# Altium PCB PCB_1313.PcbDoc (part 2 of 2) (continued)
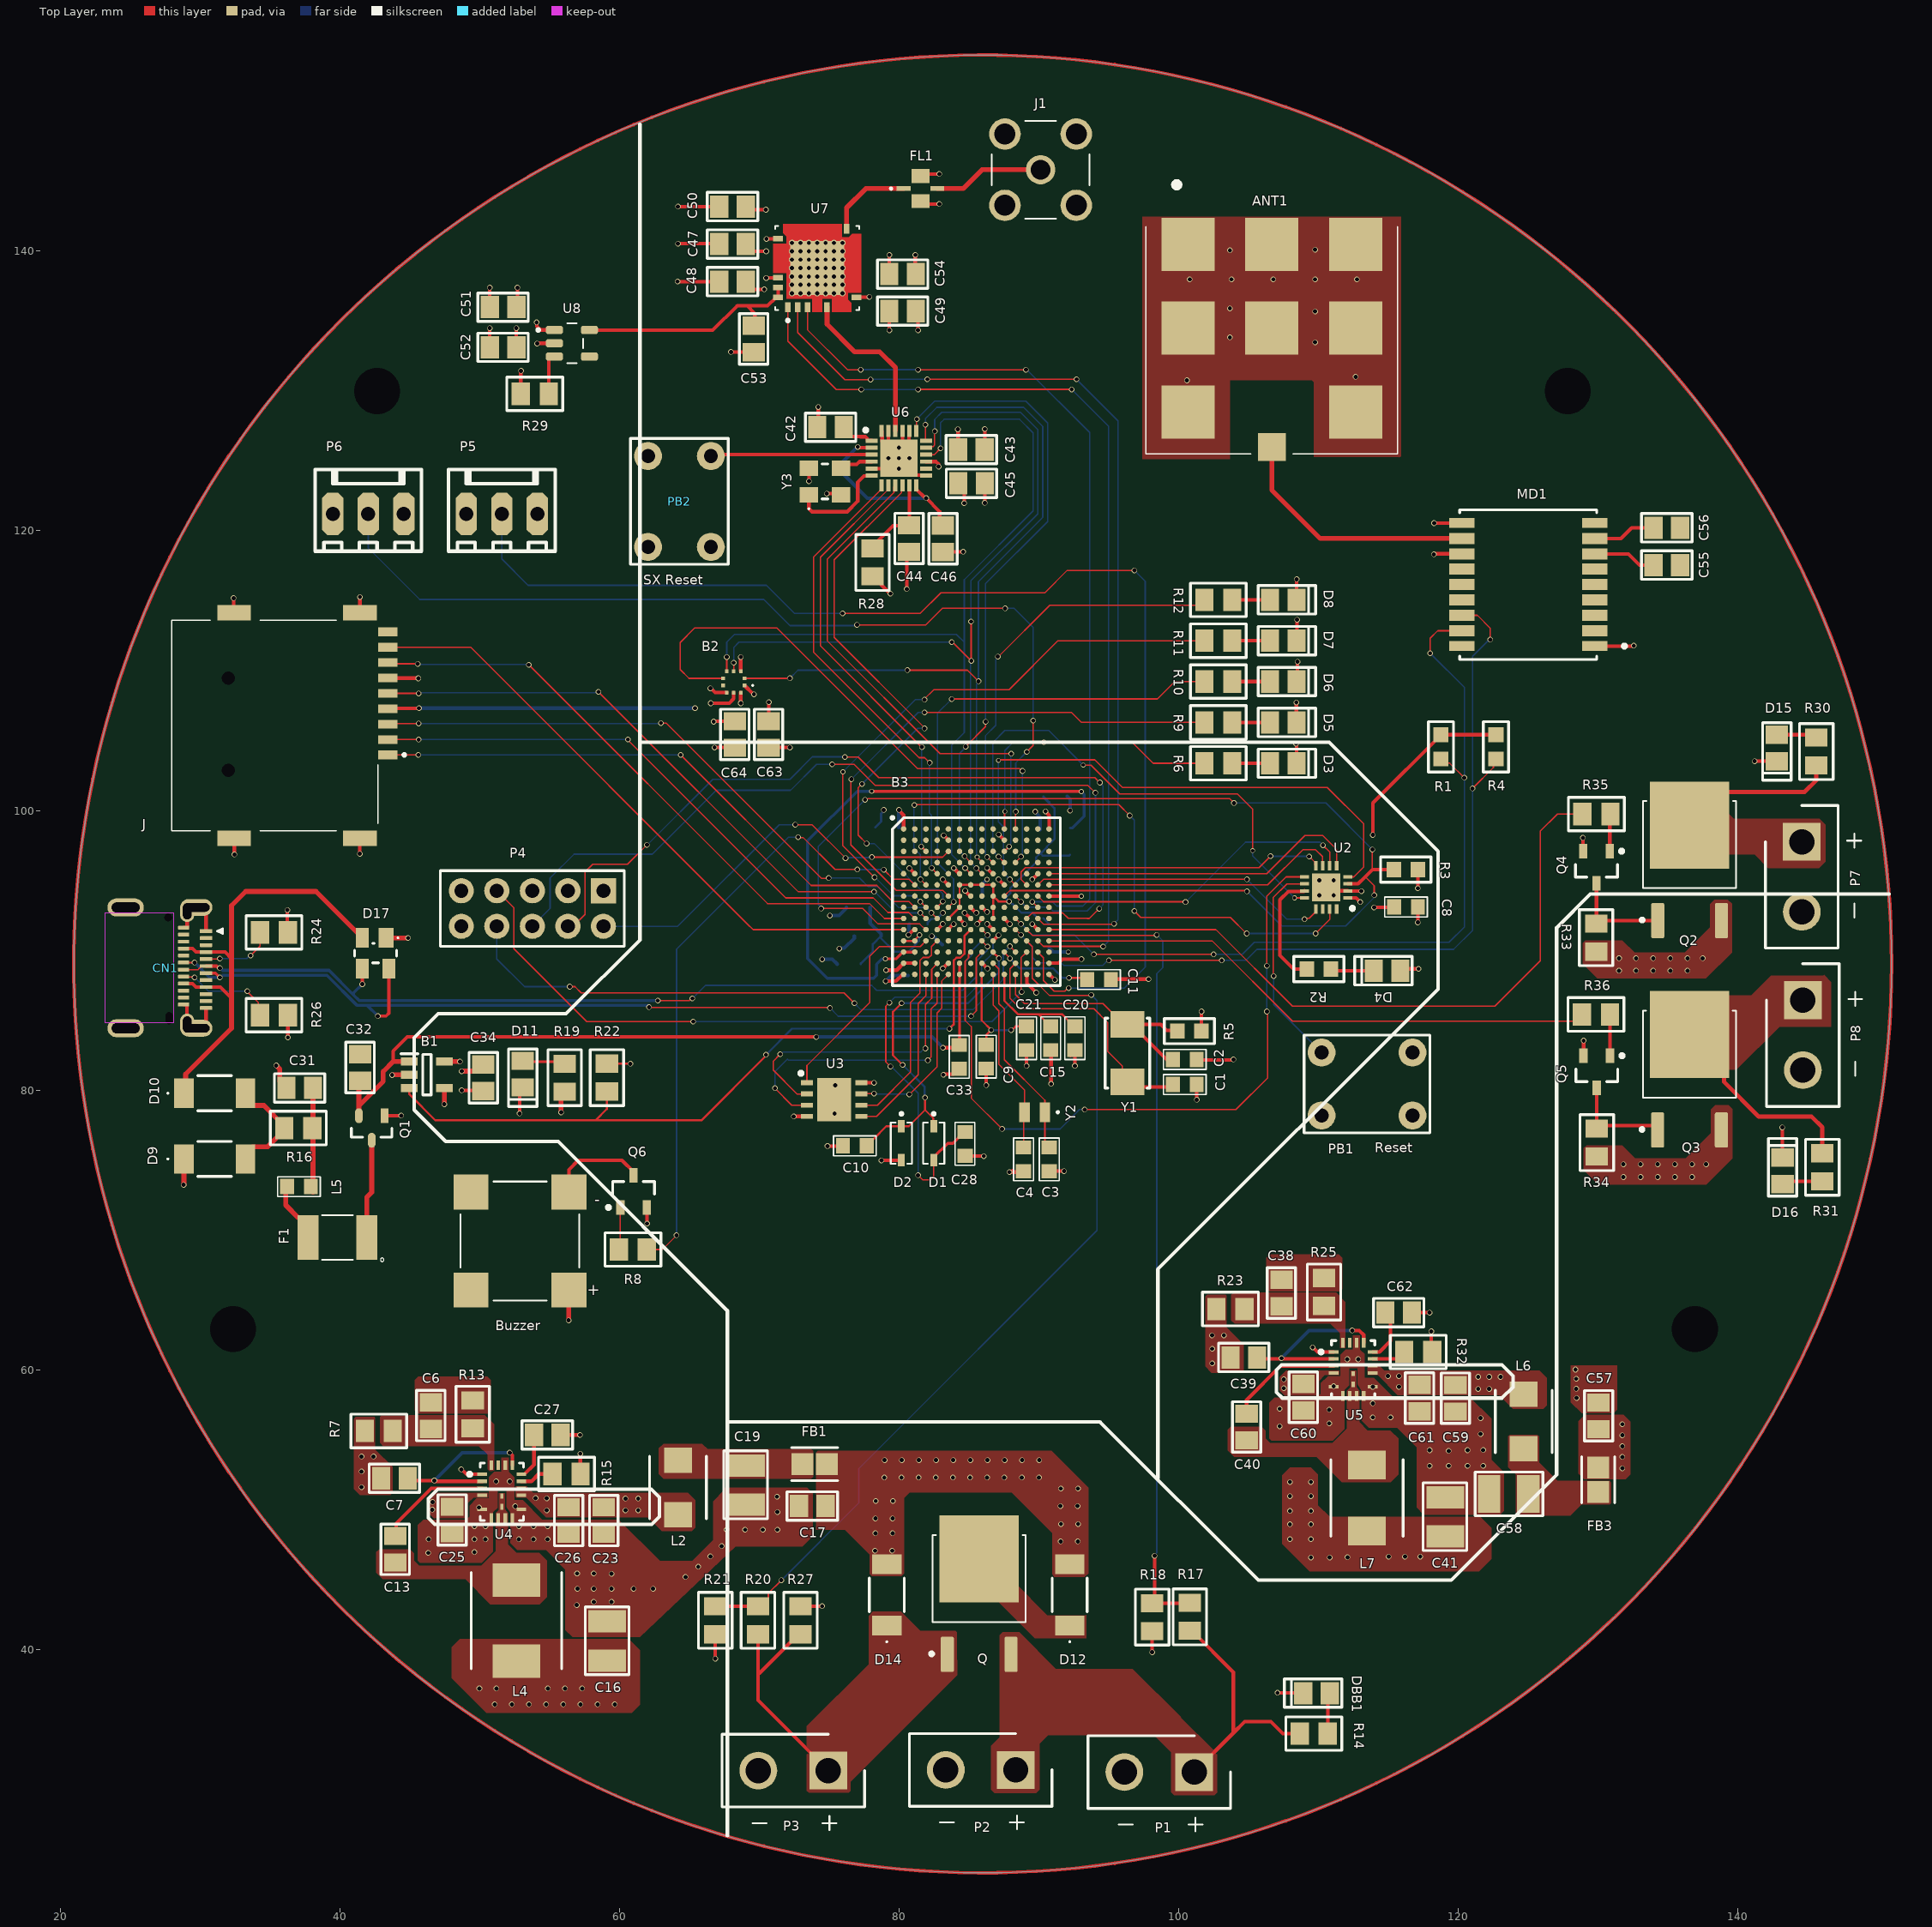
[diagram p0: Top Layer view]
## Nets (pads, with @x,y where several pads share a name; then routed paths per layer and width w, separated by ;. In a path a pad name is that pad's centre, name@x,y a point inside that pad or via, vN(x,y) a via of type N, cw(c..) or ccw(c..) an arc to the next point about the centre after c; other vN are vias at no path point) (continued)
NetB3_K8: B3.K8 C14.1 C28.1 D1.A | length 33.3
  Top Layer w0.1: v1(79.299,86.263) 79.047,86.011 79.047,82.024 v1(79.384,81.687) ; v1(81.356,73.914) 81.686,73.584 82.245,73.584 82.474,73.812 D1.A@82.474,75.006 ; B3.K8@85.925,91.478 v1(86.319,91.084)
  Top Layer w0.2: D1.A@82.474,75.006 82.474,75.206 83.468,76.2 83.846,76.2 84.659,77.013 C28.1@84.709,77.013
  Top Layer w0.254: B3.K8@85.922,91.478 B3.K8@85.925,91.478
  Bottom Layer w0.1: v1(79.299,86.263) 79.675,86.639 84.785,86.639 85.903,87.757 85.903,89.004 86.716,89.817 86.716,90.687 v1(86.319,91.084) 85.222,89.987 85.222,89.675 84.772,89.225 C14.1@84.722,89.225 ; v1(79.384,81.687) 79.442,81.687 81.356,79.773 v1(81.356,73.914)
NetB3_L1: B3.L1 B3.L2 C18.1 C24.1 C29.1 L3.1 | length 10.3
  Top Layer w0.15: B3.L1@80.322,90.678 B3.L2@81.065,90.678 ; B3.L2@81.065,90.692 81.065,90.7 81.455,91.09 v1(81.455,91.098)
  Bottom Layer w0.15: C29.1@77.267,89.016 77.267,89.066 78.124,89.923 78.124,90.446 78.699,91.021 78.699,90.871 79.665,89.906 80.698,89.906 81.123,90.331 81.123,90.381 81.416,90.673 81.416,91.059 v1(81.455,91.098)
  Bottom Layer w0.25: C18.1@77.929,93.064 77.929,91.942 78.699,91.171 L3.1@78.699,91.021
NetB3_M10: B3.M10 C11.1 | length 6.8
  Top Layer w0.1: B3.M10@87.535,89.878 87.535,89.837 87.925,89.446 v1(87.925,89.418)
  Top Layer w0.15: B3.M10@87.522,89.878 B3.M10@87.535,89.878 ; v1@92.152,88.022 93.334,88.022 C11.1@93.447,87.909
  Bottom Layer w0.15: v1(87.925,89.418) 88.647,88.696 91.034,88.696 91.701,88.03 v1(92.144,88.03)
NetB3_P8: B3.P8 C9.1 C21.1 | length 8.1
  Top Layer w0.15: B3.P8@85.922,88.278 85.9,88.256 85.9,84.991 v1(86.589,84.303) 86.233,83.947 C9.1@86.233,83.248 ; v1(88.011,84.303) 88.078,84.303 88.334,84.559 C21.1@89.109,84.559
  Bottom Layer w0.15: v1(86.589,84.303) v1(88.011,84.303)
NetB3_P10: B3.P10 C15.1 C20.1 | length 9.4
  Top Layer w0.15: B3.P10@87.522,88.278 87.522,86.406 88.492,85.436 89.963,85.436 ; C15.1@90.856,84.187 90.856,84.543 90.806,84.543 90.381,84.968 90.381,85.018 89.963,85.436 ; C20.1@92.572,84.504 92.522,84.504 92.097,84.929 92.097,84.979 91.64,85.436 89.963,85.436
NetBuzzer_N: Buzzer.N Q6.3 | length 7.1
  Top Layer w0.25: Buzzer.N@56.383,72.715 56.383,74.315 57.048,74.981 60.176,74.981 61.011,74.146 Q6.3@61.011,73.921
NetC6_1: C6.1 R7.2 R13.2 U4.20
NetC7_1: C7.1 U4.2 U4.17 | length 12.6
  Top Layer w0.254: C7.1@44.856,52.248 45.019,52.085 v1(46.761,52.085) ; v1@46.761,52.033 U4.2@50.187,52.033 ; v1(52.146,54.077) 52.146,54.075 52.337,53.883 U4.17@52.337,53.183 U4.17@52.339,53.185
  Bottom Layer w0.254: v1(46.761,52.085) 48.753,54.077 v1(52.146,54.077)
NetC13_1: C13.1 U4.3 | length 8.1
  Top Layer w0.254: C13.1@43.967,48.118 44.022,48.172 44.022,49 46.554,51.533 U4.3@50.187,51.533
NetC13_2: C13.2 L4.1 U4.8 U4.9 U4.21 U4.22
NetC19_1: C19.1 FB1.2 L2.1
NetC23_1: C23.1 C25.1 C26.1 L2.2 U4.4 U4.13 U4.14
  other v1: 54.801,49.962 60.427,49.962 61.341,49.962 46.616,49.997 46.634,50.546 60.427,50.8 61.341,50.8 54,50.825 54.801,50.818
NetC27_1: C27.1 U4.16 | length 3.1
  Top Layer w0.254: U4.16@53.21,52.535 53.889,53.213 C27.1@53.889,55.347
NetC31_1: C31.1 L5.1 R16.1 | length 7.5
  Top Layer w0.35: L5.1@38.083,72.695 38.083,77.243 R16.1@38.033,77.292 38.083,77.342 C31.1@38.083,80.162
NetC38_1: C38.1 R23.2 R25.2 U5.20
NetC39_1: C39.1 U5.2 U5.17 | length 12.8
  Top Layer w0.254: C39.1@105.697,60.784 107.262,60.784 107.314,60.836 v1(107.34,60.836) ; v1@107.34,60.784 U5.2@111.073,60.784 ; v1(112.406,62.817) 112.911,62.817 113.221,62.508 113.221,61.936 U5.17@113.223,61.934
  Bottom Layer w0.254: v1(107.34,60.836) 109.322,62.817 v1(112.406,62.817)
NetC40_1: C40.1 U5.3 | length 8.2
  Top Layer w0.254: C40.1@104.851,56.867 104.851,57.847 107.288,60.284 U5.3@111.073,60.284
NetC40_2: C40.2 L7.1 U5.8 U5.9 U5.21 U5.22
NetC42_1: C42.1 U6.1 | length 2.5
  Top Layer w0.254: C42.1@76.048,127.406 76.048,127.256 76.571,126.733 76.718,126.733 76.719,126.732 77.248,126.732 77.25,126.73 77.588,126.73 77.737,126.581 77.737,126.47 77.76,126.447 U6.1@78.035,126.447
NetC44_1: C44.1 R28.2 U6.11 | length 6.1
  Top Layer w0.254: R28.2@77.978,118.932 78.128,118.932 79.562,120.366 80.503,120.366 C44.1@80.518,120.381 ; C44.1@80.551,120.348 80.735,120.531 U6.11@80.735,123.247
NetC46_1: C46.1 U6.2 U6.12 | length 13.8
  Top Layer w0.254: v1(77.038,125.999) 77.064,125.999 77.116,125.947 U6.2@78.035,125.947 ; U6.12@81.235,123.247 81.258,123.224 81.258,122.949 81.853,122.353 81.919,122.353 82.893,121.379 82.893,120.531 C46.1@83.043,120.381
  Bottom Layer w0.254: v1(77.038,125.999) 75.844,124.805 75.844,124.231 77.741,122.335 v1(81.937,122.335)
NetC53_1: C53.1 U7.27 U7.28 U8.5 | length 16.9
  Top Layer w0.254: U8.5@57.857,134.361 57.882,134.336 66.67,134.336 68.428,136.093 69.139,136.093 ; C53.1@69.596,134.671 69.679,134.754 69.679,135.553 69.139,136.093 ; U7.27@71.343,137.389 U7.28@71.343,136.689 71.193,136.689 70.597,136.093 69.139,136.093
NetC58_1: C58.1 FB3.2 L6.1
NetC59_1: C59.1 C60.1 C61.1 L6.2 U5.4 U5.13 U5.14
  other v1: 121.412,58.635 122.199,58.635 107.507,58.683 115.748,58.784 107.507,59.321 121.412,59.498 122.199,59.498 123.012,59.498 114.96,59.549 115.748,59.549
NetC62_1: C62.1 U5.16 | length 3.8
  Top Layer w0.254: U5.16@113.873,61.284 114.358,61.284 115.142,62.067 115.142,63.726 C62.1@114.772,64.096
NetCN1_A5: CN1.A5 R24.1 | length 5.5
  Top Layer w0.1: CN1.A5@30.437,89.373 30.454,89.39 31.402,89.39 v1(31.42,89.408) ; v1(33.62,89.623) 34.293,90.296 R24.1@34.293,91.536
  Bottom Layer w0.1: v1(31.42,89.408) 33.34,89.408 33.554,89.623 v1(33.62,89.623)
NetCN1_B5: CN1.B5 R26.2 | length 7.3
  Top Layer w0.1: CN1.B5@28.837,88.123 28.867,88.092 29.586,88.092 v1(29.616,88.062) ; v1(33.382,87.077) 33.382,87.058 34.184,86.256 34.184,85.596 R26.2@34.544,85.235
  Bottom Layer w0.1: v1(29.616,88.062) 30.602,87.077 v1(33.382,87.077)
NetD3_A: D3.A R6.2 | length 2.7
  Top Layer w0.254: R6.2@103.829,103.378 D3.A@106.528,103.378
NetD4_K: D4.K R2.1 | length 3
  Top Layer w0.254: R2.1@111.017,88.659 111.131,88.544 D4.K@113.937,88.544
NetD5_A: D5.A R9.2 | length 2.7
  Top Layer w0.254: R9.2@103.829,106.299 D5.A@106.528,106.299
NetD6_A: D6.A R10.2 | length 2.7
  Top Layer w0.254: R10.2@103.829,109.22 D6.A@106.528,109.22
NetD7_A: D7.A R11.2 | length 2.7
  Top Layer w0.254: R11.2@103.829,112.141 D7.A@106.528,112.141
NetD8_A: D8.A R12.2 | length 2.7
  Top Layer w0.254: R12.2@103.829,115.062 D8.A@106.528,115.062
NetD9_2: D9.2 D10.2 R16.2 | length 8
  Top Layer w0.35: D9.2@33.254,75.082 33.254,75.432 33.779,75.957 34.848,75.957 36.033,77.142 R16.2@36.033,77.292 36.033,77.442 34.569,78.906 33.856,78.906 33.331,79.431 D10.2@33.331,79.781
NetD11_A: D11.A R19.1 | length 3
  Top Layer w0.2: D11.A@52.883,82.037 55.695,82.037 R19.1@55.843,81.889
NetD12_1: D12.1 Q.2
NetD15_A: D15.A R30.2 | length 2.9
  Top Layer w0.254: D15.A@142.773,105.42 145.389,105.42 R30.2@145.593,105.216
NetD16_A: D16.A R31.2 | length 3
  Top Layer w0.254: D16.A@143.18,73.285 143.384,73.489 R31.2@146.025,73.489 R31.2@146.102,73.412
NetDBB1_A: DBB1.A R14.2 | length 3
  Top Layer w0.254: R14.2@110.652,33.985 110.652,36.728 DBB1.A@110.805,36.881
NetF1_1: F1.1 Q1.3 | length 7.1
  Top Layer w0.35: F1.1@41.927,69.469 41.927,72.339 42.283,72.695 Q1.3@42.283,76.415
NetF1_2: F1.2 L5.2 | length 4.4
  Top Layer w0.35: L5.2@36.134,73.101 36.134,71.776 37.016,70.894 37.152,70.894 37.727,70.319 F1.2@37.727,69.469
NetFL1_4: FL1.4 U7.15 | length 6.2
  Top Layer w0.349: U7.15@76.243,141.589 76.243,143.095 77.622,144.475 FL1.4@80.328,144.475
NetP7_P: P7.P Q2.2 R30.1 | length 11.7
  Top Layer w0.3: Q2.2@136.531,98.946 138.906,101.321 144.755,101.321 145.593,102.159 R30.1@145.593,103.216 ; P7.P@144.554,97.755 P7.P@144.755,97.955
NetP8_P: P8.P Q3.2 R31.1 | length 15.5
  Top Layer w0.3: Q3.2@136.525,83.972 139,81.498 139,80.583 141.478,78.105 145.263,78.105 146.025,77.343 R31.1@146.025,75.489 146.175,75.489 R31.1@146.675,75.989
NetPB1_1: PB1.1 U2.10 | length 15.2
  Top Layer w0.1: v1(106.782,88.163) 106.756,88.189 106.756,93.777 107.73,94.751 U2.10@108.991,94.751
  Bottom Layer w0.1: v1(106.782,88.163) 106.782,86.122 PB1.1@110.212,82.692
NetQ2_1: Q2.1 Q4.3 R33.1 | length 7.4
  Top Layer w0.254: R33.1@129.845,91.907 R33.1@129.87,91.932 ; Q4.3@129.87,94.786 R33.1@129.87,91.932 ; Q2.1@134.251,92.126 130.064,92.126 R33.1@129.87,91.932
NetQ3_1: Q3.1 Q5.3 R34.1 | length 7.6
  Top Layer w0.254: Q5.3@129.896,80.162 R34.1@129.896,77.251 129.87,77.225 130.115,77.47 133.927,77.47 Q3.1@134.245,77.152
NetQ4_1: Q4.1 R35.2 | length 2.7
  Top Layer w0.254: Q4.1@130.82,97.086 130.82,99.705 R35.2@130.861,99.746
NetQ5_1: Q5.1 R36.2 | length 3
  Top Layer w0.254: R36.2@130.835,85.42 130.846,85.41 Q5.1@130.846,82.462
NetQ6_1: Q6.1 R8.2 | length 3.1
  Top Layer w0.1: R8.2@59.96,68.605 60.061,68.706 Q6.1@60.061,71.621
NetR2_2: R2.2 U2.11 | length 8.3
  Top Layer w0.254: U2.11@108.991,94.251 108.96,94.22 107.847,94.22 107.239,93.612 107.239,89.636 108.217,88.659 R2.2@109.152,88.659
NetR15_2: R15.2 U4.15 | length 2.4
  Top Layer w0.254: U4.15@52.987,52.033 53.709,52.033 54.229,52.553 R15.2@55.21,52.553
NetR29_1: R29.1 U8.3 | length 3
  Top Layer w0.254: R29.1@54.94,129.794 54.94,132.295 55.107,132.461 U8.3@55.347,132.461
NetR32_2: R32.2 U5.15 | length 2.5
  Top Layer w0.254: U5.15@113.873,60.784 115.636,60.784 R32.2@116.129,61.276
NetU6_4: U6.4 Y3.3 | length 2.4
  Top Layer w0.254: Y3.3@75.844,124.48 76.103,124.739 76.962,124.739 77.169,124.947 U6.4@78.035,124.947
NetU6_6: U6.6 Y3.1 | length 7.4
  Top Layer w0.254: Y3.1@73.544,122.58 73.544,121.601 73.784,121.361 76.287,121.361 77.038,122.112 77.038,123.469 77.492,123.924 78.012,123.924 U6.6@78.035,123.947
PMIC_REQ: B1.3 B3.K7 R22.2 | length 52.9
  Top Layer w0.15: B1.3@44.978,80.152 44.978,79.705 46.841,77.842 58.293,77.842 ; R22.2@59.106,79.899 59.106,78.655 58.293,77.842 ; v1(70.481,82.537) 70.481,82.47 65.853,77.842 58.293,77.842 ; v1(83.597,84.396) 83.597,84.398 83.896,84.697 83.896,89.269 84.097,89.47 84.383,89.47 84.663,89.75 84.663,91.019 B3.K7@85.122,91.478
  Bottom Layer w0.15: v1(70.481,82.537) 72.34,84.396 v1(83.597,84.396)
RF_OUT: U6.22 U7.5 | length 11.9
  Top Layer w0.349: U7.5@74.843,135.989 74.843,134.772 76.824,132.791 78.613,132.791 79.735,131.67 U6.22@79.735,127.147
RTC_XTAL0: B3.P9 C4.1 Y2.2 | length 13.2
  Top Layer w0.1: B3.P9@86.722,88.278 86.722,86.083 87.134,85.671 87.134,81.852 88.975,80.011 Y2.2@88.975,78.422 ; C4.1@88.9,75.907 Y2.2@88.9,78.347
RTC_XTAL1: B3.N9 C3.1 Y2.1 | length 14.4
  Top Layer w0.1: B3.N9@86.722,89.078 87.134,88.666 87.134,86.188 87.521,85.802 87.521,82.181 90.425,79.277 Y2.1@90.425,78.422 C3.1@90.425,76.186
RX1: B3.G11 P4.6 | length 61.4
  Top Layer w0.1: v1@75.235,103.302 76.784,103.302 78.28,101.806 93.497,101.806 v1(94.04,101.263) ; B3.G11@88.322,93.878 88.322,93.869 88.71,93.481 v1(88.71,93.472)
  Bottom Layer w0.1: P4.6@53.772,91.719 55.042,92.989 55.042,95.166 56.751,96.876 62.357,96.876 66.929,101.448 72.238,101.448 74.092,103.302 v1(75.209,103.302) ; v1(88.71,93.472) 89.1,93.082 90.741,93.082 91.011,92.812 93.436,92.812 94.04,93.415 v1(94.04,101.263)
SCK: B2.2 B3.D8 U6.18 | length 62.2
  Top Layer w0.1: B2.2@68.951,109.459 68.959,109.452 72.18,109.452 v1(72.188,109.459) ; v1(80.594,110.033) 84.887,110.033 v1(85.674,109.245) ; v1(81.876,127.588) 81.876,126.547 81.901,126.522 U6.18@82.285,126.522 ; v2(85.582,96.675) 85.582,96.646 85.925,96.303 B3.D8@85.925,96.278
  Top Layer w0.15: B2.2@68.937,109.445 B2.2@68.951,109.459 ; U6.18@81.935,126.447 82.21,126.447 U6.18@82.285,126.522 ; B3.D8@85.922,96.278 B3.D8@85.925,96.278
  Bottom Layer w0.1: v1(72.188,109.459) 72.761,110.033 v1(80.594,110.033) ; v1(81.876,127.588) 81.876,128.011 82.694,128.829 88.9,128.829 90.272,127.457 90.272,120.957 85.674,116.359 85.674,109.178 85.533,109.037 85.533,96.858 85.535,96.857 85.535,96.722 v2(85.582,96.675)
SCL: B3.J11 MD1.17 R1.1 | length 60.4
  Top Layer w0.1: B3.J11@88.322,92.272 v1(88.71,91.884) ; v1(93.931,89.711) 102.487,89.711 v1(102.489,89.713) ; v1(117.975,111.245) 117.975,112.313 118.516,112.854 MD1.17@120.243,112.854 ; R1.1@118.745,103.556 R1.1@118.76,103.556 ; R1.1@118.745,103.683 119.046,103.382 119.376,103.382 v1(120.421,102.337)
  Top Layer w0.15: B3.J11@88.322,92.272 B3.J11@88.322,92.278
  Bottom Layer w0.1: v1(88.71,91.884) 88.747,91.884 89.547,91.084 92.553,91.084 93.927,89.711 v1(93.931,89.711) ; v1(102.489,89.713) 104.546,89.713 105.41,90.576 119.329,90.576 120.421,91.669 v1(120.421,102.337) 120.421,108.799 v1(117.975,111.245)
SDA: B3.K11 MD1.16 R4.1 | length 62.6
  Top Layer w0.1: B3.K11@88.341,91.478 v1(88.71,91.109) ; v1(95.001,89.279) 103.071,89.279 v1(103.073,89.281) ; MD1.16@120.243,113.954 121.358,113.954 122.276,113.036 v1(122.276,112.217) ; v1(121.006,101.575) 122.497,103.066 122.497,103.498 R4.1@122.682,103.683
  Top Layer w0.15: B3.K11@88.322,91.478 B3.K11@88.341,91.478
  Bottom Layer w0.1: v1(88.71,91.109) 88.71,91.084 89.523,90.272 89.523,89.511 89.93,89.103 91.592,89.103 91.775,88.92 94.561,88.92 94.92,89.279 v1(95.001,89.279) ; v1(103.073,89.281) 104.8,89.281 105.588,90.068 119.652,90.068 121.005,91.421 v1(121.006,101.575) 121.005,111.023 122.199,112.217 v1(122.276,112.217)
SNVS: B3.M9 C10.2 D1.C D2.C | length 25
  Top Layer w0.15: C10.2@77.685,76.022 77.685,76.072 78.11,76.497 78.16,76.497 79.082,77.419 D2.C@80.162,77.419 80.688,77.419 81.857,78.589 ; v1(80.182,86.224) 79.553,85.595 79.553,82.501 v1(80.248,81.806) ; v1(81.857,79.468) 81.857,78.589 ; D1.C@82.474,77.419 82.439,77.454 82.439,78.006 81.857,78.589 ; B3.M9@86.722,89.878 86.722,89.86 87.134,89.448 v1(87.134,89.43)
  Bottom Layer w0.15: v1(80.182,86.224) 84.928,86.224 87.134,88.43 v1(87.134,89.43) ; v1(80.248,81.806) 80.264,81.806 81.814,80.256 81.814,79.511 v1(81.857,79.468)
SOC: B3.F6 B3.F7 B3.F8 B3.F9 B3.G6 B3.G9 B3.H6 B3.H9 B3.J5 B3.J9 C5.1 C12.1 C22.1 C30.1 L1.2 | length 24.6
  Top Layer w0.15: B3.J5@83.522,92.278 B3.H6@84.322,93.078 B3.F6@84.322,94.678 B3.F9@86.722,94.678 B3.G9@86.722,93.878 ; B3.J9@86.722,92.278 B3.J9@86.722,92.285 ; B3.J9@86.722,92.318 B3.J9@86.722,92.285 ; v1@87.862,93.458 v1(87.862,93.497) 87.103,93.497 B3.G9@86.722,93.878 ; B3.J9@86.722,92.285 B3.H9@86.722,93.078 B3.G9@86.722,93.878
  Bottom Layer w0.15: C5.1@87.604,93.777 87.604,93.756 v1(87.862,93.497) ; C5.1@87.654,93.777 87.954,94.077 87.954,94.464 89.793,96.303 89.793,96.644 C22.1@90.089,96.94 ; C5.1@87.873,93.508 88.079,93.302 88.129,93.302 88.751,92.68 89.547,92.68 89.93,92.296 ; C30.1@90.304,92.296 C30.1@90.519,92.081 ; C30.1@90.322,92.278 C30.1@90.519,92.081 ; C30.1@90.729,91.871 C30.1@90.519,92.081 ; C12.1@90.736,100.591 C12.1@90.311,101.016 90.311,100.966 91.11,100.167 91.11,97.961 90.564,97.415 90.564,97.365 90.139,96.94 C22.1@90.089,96.94 ; L1.2@92.227,96.84 92.161,96.773 90.256,96.773 C22.1@90.089,96.94
SX_RESET: PB2.1 U6.3 | length 11.5
  Top Layer w0.254: PB2.1@66.537,125.348 66.636,125.447 U6.3@78.035,125.447
TX1: B3.M11 P4.8 | length 44.1
  Top Layer w0.1: v1(56.439,87.401) 56.82,87.401 57.256,86.965 76.058,86.965 v1(76.799,86.224) ; v1(87.925,90.29) 87.925,90.283 88.322,89.886 B3.M11@88.322,89.878
  Bottom Layer w0.1: P4.8@51.232,91.719 51.232,89.383 53.213,87.401 v1(56.439,87.401) ; v1(76.799,86.224) 77.273,85.75 85.274,85.75 87.452,87.929 87.452,89.817 v1(87.925,90.29)
VUSB: CN1.A4 CN1.A9 CN1.B4 CN1.B9 D10.1 D17.2 | length 33.5
  Top Layer w0.25: CN1.B4@28.837,87.623 28.847,87.613 29.471,87.613 29.711,87.373 CN1.A9@30.437,87.373 31.449,87.373 32.258,86.563 ; CN1.B9@28.837,90.123 29.471,90.123 29.721,89.873 CN1.A4@30.437,89.873 31.793,89.873 32.258,89.408
  Top Layer w0.35: D10.1@28.931,79.781 28.98,79.831 28.98,81.151 32.258,84.43 32.258,86.373 32.258,86.563 32.258,89.408 32.258,93.193 33.274,94.209 38.298,94.209 D17.2@41.61,90.897
XTAL0: B3.N11 C1.1 Y1.2 | length 18.6
  Top Layer w0.1: B3.N11@88.322,89.078 87.922,88.678 87.922,86.578 88.681,85.819 93.936,85.819 94.907,84.848 94.907,82.779 95.949,81.737 Y1.2@95.949,80.975
  Top Layer w0.15: Y1.2@95.949,80.975 Y1.2@96.33,80.594
  Top Layer w0.25: Y1.2@96.33,80.594 96.685,80.239 C1.1@99.582,80.239
XTAL1: B3.P11 C2.1 R5.1 Y1.1 | length 18.2
  Top Layer w0.1: B3.P11@88.322,88.278 88.322,86.836 88.97,86.188 94.585,86.188 Y1.1@96.08,84.694
  Top Layer w0.15: Y1.1@95.991,84.261 Y1.1@96.241,84.261 ; Y1.1@96.08,84.694 Y1.1@96.33,84.694
  Top Layer w0.25: C2.1@99.151,82.154 97.437,83.869 97.155,83.869 Y1.1@96.33,84.694 98.719,84.694 99.139,84.274 99.854,84.274 R5.1@99.892,84.236
pads on no net: B2.7 B3.A2 B3.A3 B3.A4 B3.A5 B3.A6 B3.A7 B3.A8 B3.A9 B3.A12 B3.A13 B3.B1 B3.B2 B3.B3 B3.B4 B3.B6 B3.B7 B3.B8 B3.B9 B3.B11 B3.B12 B3.B13 B3.B14 B3.C1 B3.C2 B3.C4 B3.C6 B3.C7 B3.C8 B3.C9 B3.C11 B3.C12 B3.C13 B3.C14 B3.D1 B3.D2 B3.D3 B3.D4 B3.D5 B3.D6 B3.D12 B3.D13 B3.D14 B3.E1 B3.E3 B3.E5 B3.E10 B3.E11 B3.E12 B3.F1 B3.F4 B3.G1 B3.G2 B3.G3 B3.G4 B3.G8 B3.G12 B3.H1 B3.H10 B3.H11 B3.H12 B3.H14 B3.J14 B3.K6 B3.K10 B3.L5 B3.L6 B3.L7 B3.L10 B3.L11 B3.M3 B3.M4 B3.M5 B3.M6 B3.M14 B3.N3 B3.N7 B3.N10 B3.N12 B3.N13 B3.P2 B3.P7 B3.P13 Buzzer.1 Buzzer.2 CN1.A2 CN1.A3 CN1.A8 CN1.A10 CN1.A11 CN1.B2 CN1.B3 CN1.B8 CN1.B10 CN1.B11 CN1.H1 CN1.H2 J.9 J.14 J.15 MD1.2 MD1.3 MD1.4 MD1.5 MD1.6 MD1.9 MD1.13 MD1.14 MD1.15 MD1.18 P4.3 P4.5 P4.10 U2.14 U2.16 U4.19 U5.19 U6.14 U7.29 U7.30 U7.31 U7.32 U7.33 U7.34 U7.35 U7.36 U7.37 U7.38 U7.39 U7.40 U7.41 U7.42 U7.43 U7.44 U7.45 U7.46 U7.47 U7.48 U7.49 U7.50 U7.51 U7.52 U7.53 U7.54 U7.55 U7.56 U7.57 U7.58 U7.59 U7.60 U7.61 U7.62 U7.63 U7.64 U7.65 U7.66 U7.67 U7.68 U7.69 U7.70 U7.71 U7.72 U7.73 U7.74 U7.75 U7.76 U7.77 U8.4
copper on no net: | length 408.4
  Top Layer w0.254: 150.979,89.027 ccw(c85.979,89.027) 150.979,89.027

## Polygon pours and split planes (outlines as drawn)
NetP8_P on Top Layer "NONET_L-01_P-001" (solid, pour order 76): 134.62,86.436 134.62,81.686 134.849,81.458 139.878,81.458 142.951,84.531 146.66,84.531 146.66,87.732 146.152,88.24 146.101,88.189 142.367,88.189 140.945,86.766 134.874,86.766
NetP7_P on Top Layer "Top Layer-NetP8_P" (solid, pour order 95): 134.772,101.168 136.465,96.85 141.173,96.85 142.138,95.885 145.796,95.885 146.253,96.342 146.253,98.984 145.821,99.416 145.136,99.416 144.78,99.416 144.348,99.416 139.675,99.416 137.922,101.168
GND on Top Layer "NONET_L-01_P-001" (solid, pour order 96): 97.587,142.443 97.561,142.443 115.9,142.443 115.9,125.146 115.773,125.273 109.677,125.273 109.677,130.607 109.525,130.759 103.657,130.759 103.657,125.146 103.632,125.12 97.384,125.12 97.409,125.146 97.409,142.443 97.612,142.443
NetC38_1 on Top Layer "NONET_L-01_P-001" (solid, pour order 61): 103.861,65.467 103.911,65.518 111.252,65.518 111.912,64.858 111.912,61.56 111.527,61.56 111.527,62.601 110.82,63.308 103.988,63.308 103.759,63.537 103.759,65.366 103.911,65.518 105.842,65.518
GND on Top Layer "Top Layer-GND" (solid, pour order 69): 121.082,49.643 122.961,49.643 123.241,49.923 123.241,52.691 122.352,53.58 122.352,56.501 120.828,58.025 115.367,58.025 113.97,59.422 113.275,59.422 113.285,60.275 113.275,61.133 112.954,61.454 112.954,62.47 112.446,62.47 112.446,61.454 111.938,61.454 111.557,61.073 111.557,59.549 110.668,59.549 110.16,59.041 110.16,58.279 109.906,58.025 106.858,58.025 106.477,57.644 106.477,55.104 106.629,54.952 111.023,54.952 111.836,55.765 111.836,58.559 112.166,58.889 112.166,60.133 112.801,60.133 112.801,58.952 113.081,58.533 113.081,56.374 113.589,55.866 115.621,55.866 117.018,54.469 117.018,50.151 117.526,49.643
GND on Top Layer "gggggg" (solid, pour order 18): 68.301,47.371 73.076,47.371 73.812,48.108 73.812,51.206 73.431,51.587 73.406,51.562 67.488,51.562 67.488,51.384 66.7,50.597 66.7,47.828 65.202,46.33 62.89,46.33 59.944,49.276 54.483,49.276 53.086,50.673 52.47,50.673 52.47,52.305 52.07,52.705 52.07,53.721 51.562,53.721 51.562,52.705 51.054,52.705 50.673,52.324 50.673,50.8 49.784,50.8 49.276,50.292 49.276,49.53 49.022,49.276 45.974,49.276 45.593,48.895 45.593,46.355 45.745,46.203 50.14,46.203 50.952,47.015 50.952,49.809 51.283,50.14 51.283,51.384 51.918,51.384 51.918,50.203 52.197,49.784 52.197,47.625 52.705,47.117 54.737,47.117 56.134,45.72 56.134,41.402 56.642,40.894 61.468,40.894
+3V3 on Top Layer "Top Layer-No Net" (solid, pour order 90): 110.007,45.605 121.463,45.605 122.352,46.494 122.352,48.703 121.564,49.491 110.795,49.491 109.957,50.329 109.957,52.513 109.449,53.021 107.95,53.021 107.391,52.463 107.391,47.56 109.347,45.605
+9V6 on Top Layer "NONET_L-01_P-001" (solid, pour order 80): 129.159,76.048 131.724,76.048 132.639,75.133 136.246,75.133 138.049,76.937 138.049,78.613 138.354,78.918 139.319,78.918 139.598,78.638 139.598,75.133 137.719,73.254 129.997,73.254 128.93,74.32 128.956,74.346 128.956,75.844
+9V6U on Top Layer "Top Layer-+9V6U" (solid, pour order 85): 73.406,29.896 73.533,29.769 76.403,29.769 76.53,29.896 76.505,29.921 76.505,30.531 84.15,38.176 84.15,39.243 84.125,39.243 84.125,41.224 84.023,41.326 81.509,41.326 80.137,42.697 78.105,42.697 77.826,42.418 77.826,38.938 73.406,34.519
+9V6S on Top Layer "Top Layer-+9V6S" (solid, pour order 83): 86.589,29.972 86.817,29.743 89.789,29.743 90.043,29.997 90.043,33.274 90.653,33.884 98.222,33.884 99.466,32.639 99.466,29.794 99.67,29.591 102.565,29.591 102.768,29.794 102.743,29.82 102.743,32.664 102.616,32.664 100.139,35.141 100.152,35.154 96.698,38.608 91.186,38.608 91.186,38.633 88.595,41.224 87.401,41.224 87.198,41.021 87.198,33.731 86.589,33.122
+9V6 on Top Layer "NONET_L-01_P-001" (solid, pour order 79): 129.083,90.703 131.724,90.703 132.588,89.84 136.195,89.84 137.998,91.643 137.998,93.32 138.303,93.624 139.268,93.624 139.548,93.345 139.548,89.84 137.693,87.986 129.921,87.986 128.88,89.027 128.905,89.052 128.905,90.526
GND on Top Layer "NONET_L-01_P-001" (solid, pour order 75): 128.041,60.298 128.041,57.682 128.829,56.895 131.089,56.895 131.343,57.149 131.343,60.298
+9V6 on Top Layer "NONET_L-01_P-001" (solid, pour order 74): 128.575,56.323 128.575,52.59 128.981,52.183 131.953,52.183 132.283,52.513 132.283,56.298 131.801,56.781 129.032,56.781
NetC58_1 on Top Layer "Top Layer-NetC58_1" (solid, pour order 73): 123.571,55.257 123.571,53.047 124.104,52.513 124.104,49.719 124.231,49.592 128.016,49.592 128.803,50.38 130.81,50.38 130.912,50.481 130.912,51.955 130.81,52.056 127.076,52.056 125.755,53.377 125.755,55.257 125.654,55.358 123.673,55.358
NetC59_1 on Top Layer "Top Layer-NetC59_1" (solid, pour order 67): 114.224,59.625 115.646,58.203 122.911,58.203 123.901,57.212 126.06,57.212 126.314,57.466 126.314,59.422 125.781,59.956 114.706,59.956 114.249,60.413 113.5,60.413 113.5,59.625
GND on Top Layer "NONET_L-01_P-001" (solid, pour order 66): 103.403,63.054 104.648,61.81 104.648,59.956 104.496,59.803 102.337,59.803 101.905,60.235 101.905,65.239 102.032,65.366 103.353,65.366 103.403,65.315
+3V3 on Top Layer "NONET_L-01_P-001" (solid, pour order 63): 106.248,68.007 106.248,65.848 106.477,65.62 111.531,65.62 111.684,65.772 111.684,68.007 111.43,68.261 106.502,68.261
NetC59_1 on Top Layer "NONET_L-01_P-001" (solid, pour order 60): 107.671,59.956 107.213,59.498 107.213,58.533 107.62,58.127 107.645,58.152 110.033,58.152 110.033,59.219 110.439,59.625 111.481,59.625 111.481,59.956
NetC40_2 on Top Layer "NONET_L-01_P-001" (solid, pour order 58): 112.268,59.93 112.268,58.736 112.116,58.584 112.039,58.508 112.039,55.79 110.998,54.749 106.553,54.749 106.197,55.104 106.197,55.638 105.918,55.917 103.708,55.917 103.505,55.714 103.505,54.241 103.962,53.783 109.855,53.783 111.658,51.98 115.164,51.98 115.697,52.513 115.697,55.104 115.138,55.663 113.513,55.663 112.903,56.273 112.903,58.503 112.687,58.783 112.687,59.93
NetC13_2 on Top Layer "NONET_L-01_P-001" (solid, pour order 2): 51.384,51.181 51.384,49.987 51.232,49.835 51.156,49.759 51.156,47.041 50.114,45.999 45.669,45.999 45.314,46.355 45.314,46.888 45.034,47.168 42.824,47.168 42.621,46.965 42.621,45.491 43.078,45.034 48.971,45.034 50.775,43.231 54.28,43.231 54.813,43.764 54.813,46.355 54.254,46.914 52.629,46.914 52.019,47.523 52.019,49.754 51.803,50.034 51.803,51.181
NetC23_1 on Top Layer "NONET_L-01_P-001" (solid, pour order 5): 46.787,51.206 46.33,50.749 46.33,49.784 46.736,49.378 46.761,49.403 49.149,49.403 49.149,50.47 49.555,50.876 50.597,50.876 50.597,51.206
NetC6_1 on Top Layer "NONET_L-01_P-001" (solid, pour order 7): 42.977,56.718 43.028,56.769 50.368,56.769 51.029,56.109 51.029,52.788 51.03,52.787 50.999,52.756 50.698,52.756 50.571,52.883 50.571,53.924 49.936,54.559 43.104,54.559 42.875,54.788 42.875,56.617 43.028,56.769 44.958,56.769
+5V on Top Layer "NONET_L-01_P-001" (solid, pour order 8): 60.681,40.742 61.468,39.954 61.468,36.068 60.884,35.484 50.495,35.484 48.006,37.973 48.006,40.157 48.59,40.742
+5V on Top Layer "NONET_L-01_P-001" (solid, pour order 9): 45.364,59.258 45.364,57.099 45.593,56.871 50.648,56.871 50.8,57.023 50.8,59.258 50.546,59.512 45.618,59.512
GND on Top Layer "NONET_L-01_P-001" (solid, pour order 22): 42.52,54.305 43.764,53.061 43.764,51.206 43.612,51.054 41.453,51.054 41.021,51.486 41.021,56.49 41.148,56.617 42.469,56.617 42.52,56.566
NetC23_1 on Top Layer "Top Layer-NetC23_1" (solid, pour order 24): 53.34,50.876 54.762,49.454 62.027,49.454 63.017,48.463 65.176,48.463 65.43,48.717 65.43,50.673 64.897,51.206 53.823,51.206 53.365,51.664 52.578,51.664 52.578,50.927 52.629,50.876
+9V6 on Top Layer "Top Layer-+9V6" (solid, pour order 21): 80.747,51.232 88.062,51.232 90.957,48.336 90.957,45.364 91.084,45.237 91.084,45.187 93.269,45.187 93.523,45.441 93.523,51.587 90.907,54.204 74.193,54.204 74.066,54.077 74.066,48.565 76.124,48.565 77.902,46.787 77.902,45.415 78.054,45.263 80.162,45.263 80.34,45.441 80.34,50.825
NetC19_1 on Top Layer "NONET_L-01_P-001" (solid, pour order 16): 63.475,54.686 63.449,54.712 63.144,54.712 62.814,54.381 62.814,52.553 63.144,52.222 73.711,52.222 73.838,52.349 73.838,54.204 73.711,54.331 66.294,54.331 65.913,54.712 63.271,54.712
NetD12_1 on Top Layer "NONET_L-01_P-001" (solid, pour order 12): 93.294,42.57 93.37,42.494 93.37,40.818 89.713,40.818 86.868,43.663 88.062,44.856 88.062,44.882 88.163,44.882 90.602,42.443 93.37,42.443
GND on Ground Layer "GND Plane" (solid, shelved, pour order 0): 85.979,24.027 cw(c85.979,89.027) 20.979,89.027 cw(c85.979,89.027) 85.979,154.027 cw(c85.979,89.027) 150.979,89.027 cw(c85.979,89.027)
+9V6 on VCC Layer "NONET_L03_P078" (solid, shelved, pour order 78): 85.979,24.027 cw(c85.979,89.027) 20.979,89.027 cw(c85.979,89.027) 85.979,154.027 cw(c85.979,89.027) 150.979,89.027 cw(c85.979,89.027)

## Silkscreen, mask and mechanical layers (free items; w line width, h text height)
Top Overlay:
  lines w0.254: 61.468,104.877 61.671,104.877 75.235,104.877 110.744,104.877 118.542,97.079 118.542,87.224 98.501,67.183 98.501,52.273 ; 61.468,149.073 61.468,90.754 56.185,85.471 47.041,85.471 45.314,83.744 45.314,78.588 47.574,76.327 55.626,76.327 67.716,64.237 67.716,26.695 ; 67.742,56.286 94.361,56.286 105.689,44.958 119.482,44.958 127.025,52.502 127.025,91.618 129.438,94.031 150.8,94.031 ; 123.901,58.771 123.114,57.984 122.475,57.984 107.395,57.984 106.985,58.395 106.985,59.995 107.34,60.35 123.114,60.35 123.901,59.563 123.901,58.801 ; 46.33,49.403 46.33,50.783 47.007,51.46 48.311,51.46 62.277,51.46 62.865,50.872 62.865,49.505 62.306,48.946 46.787,48.946 46.33,49.403
  text "Reset" at 114.021,75.54 h0.7

## Text inside footprints (layer, text, board x,y; h text height)
Buzzer: Mechanical 13 "-" at 58.598,72.39 h0.81 r180; Mechanical 13 "+" at 58.598,66.04 h0.81 r180; Top Overlay "+" at 58.598,66.04 h0.81 r180; Top Overlay "-" at 58.598,72.39 h0.81 r180
CN1: Top 3D Body "Board Edge" at 22.437,89.848 h0.5 r270